# Altium PCB MecaVac.PcbDoc (part 2 of 2)
Units mil, origin at the board's own origin, x right, y up, seen from the top; angles counter-clockwise.
Board outline 4725 x 3149.61 mil, 2 copper layers (Top Layer, Bottom Layer); 93 components, 53 nets, 288 pads, 60 vias.
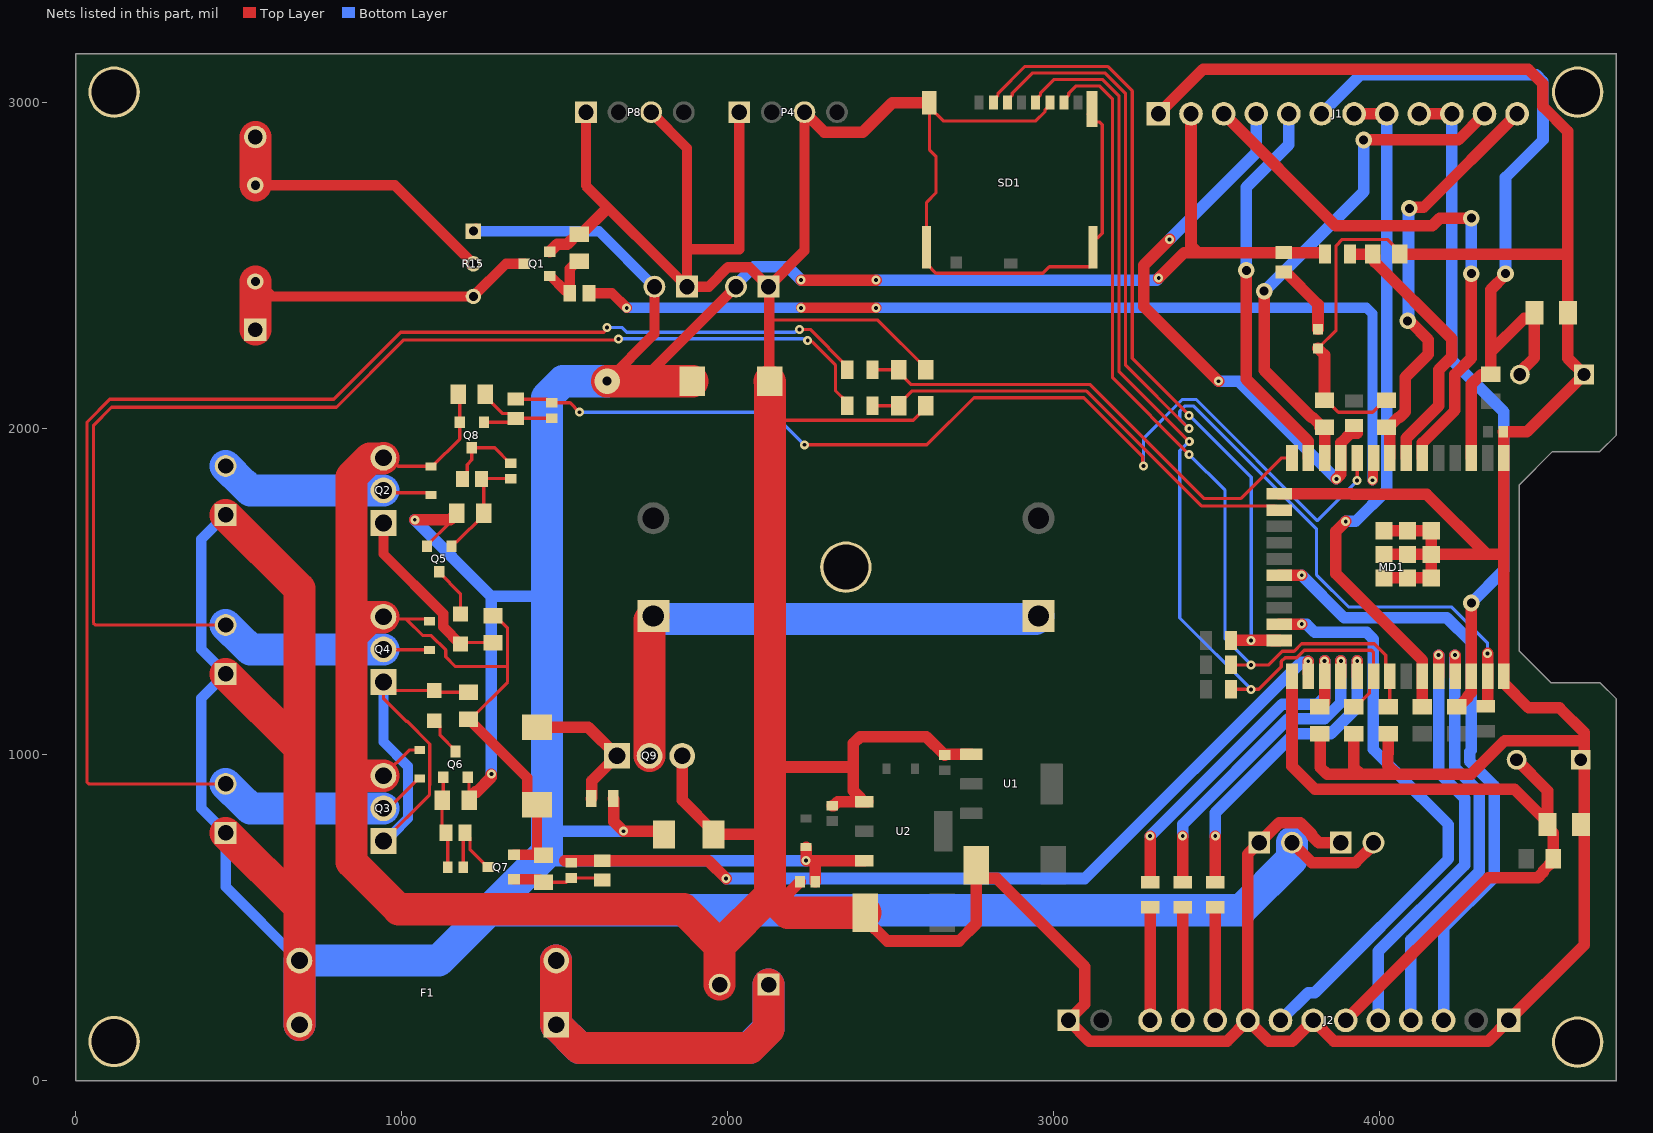
[diagram p2: the nets of this part, all layers, seen from the top]

## Via types
v1: diameter 27.56, hole 11.81, Top Layer to Bottom Layer, 45 vias
v2: diameter 51.18, hole 27.56, Top Layer to Bottom Layer, 11 vias
v3: diameter 78.74, hole 27.56, Top Layer to Bottom Layer, 2 vias
v4: diameter 50, hole 28, Top Layer to Bottom Layer, 2 vias

## Nets (pads, with @x,y where several pads share a name; then routed paths per layer and width w, separated by ;. In a path a pad name is that pad's centre, name@x,y a point inside that pad or via, vN(x,y) a via of type N, cw(c..) or ccw(c..) an arc to the next point about the centre after c; other vN are vias at no path point) (continued)
+12V: C2.2 C3.1 D2.1 D3.1 F1.2 J1.2 P1.1 P2.1 P3.1 P6.2 P7.2 P9.2 P10.2 Q5.2 Q6.2 R2.1 R15.1 R23.1 R24.1 R39.2 R40.1 U2.3 | length 16493.1
  Top Layer w10: Q5.2@1077.6,1639.37 1077.6,1641.34 1149.88,1713.62 R23.1@1149.88,1721.25 ; Q6.2@1202.4,930.63 1206.37,926.66 R24.1@1206.37,865.94
  Top Layer w31.5: R15.1@1219.8,2605 R15.1@1227.68,2612.87 ; v3(1630,2145) 1775,2290 P10.2@1775,2435 P10.2@1769.43,2440.57 ; 1735,2145 P9.2@2025,2435
  Top Layer w35.43: v1(1040,1720) 1148.63,1720 1149.88,1721.25 1156.65,1728.03 1162.59,1728.03 1168.63,1734.06 R23.1@1168.63,1740 ; R24.1@1206.37,860 1206.37,865.94 1225.63,885.2 1229.63,885.2 1275,930.57 v1(1275,940) ; R39.2@1648.5,865 1650.34,863.16 1650.34,794.66 v1(1680,765) 1793.75,765 D3.1@1803.75,755 ; v1(2225,2455) v1(2455,2455) ; D2.1@2240,716.1 v1(2240,675) 2240.55,674.45 2270,674.45 ; C3.1@2268.62,610 2268.62,673.07 2270,674.45 ; U2.3@2418.94,674.45 2270,674.45 ; v1(3321.5,2461.5) 3399.56,2539.56 3441.79,2539.56 ; J1.2@3420.59,2965 3420.59,2560.76 3441.79,2539.56 ; P7.2@3730,730 3730.13,730 3791.31,668.82 3924.95,668.82 3980,723.87 P6.2@3980,730 ; R2.1@3831.61,2535 3831.61,2538.57 3830.63,2539.56 R40.1@3705,2539.56 3441.79,2539.56
  Top Layer w98.43: P1.1@460,760 686.3,533.7 ; P2.1@460,1247.5 686.3,1021.2 ; P3.1@460,1735 686.3,1508.7 686.3,1021.2 ; F1.2@686.3,171.57 F1.2@686.3,368.43 686.3,533.7 ; v3(1630,2145) 1735,2145 C2.2@1891.5,2145 ; 686.3,533.7 686.3,1021.2
  Bottom Layer w31.5: P3.1@460,1735 385.04,1660.04 385.04,1322.46 P2.1@460,1247.5 385.04,1172.54 385.04,834.96 P1.1@460,760 460,594.72 F1.2@686.3,368.43 ; R15.1@1219.8,2605 1605,2605 P10.2@1775,2435
  Bottom Layer w35.43: v1(1040,1720) 1275,1485 ; v1(1275,940) 1275,1485 ; 1445,700 1470,675 v1(2240,675) ; 1445,765 v1(1680,765) ; 1445,1485 1275,1485 ; P9.2@2025,2435 2025,2441.13 2080.05,2496.18 2183.82,2496.18 v1(2225,2455) ; v1(2455,2455) 3315,2455 v1(3321.5,2461.5)
  Bottom Layer w98.43: F1.2@686.3,171.57 F1.2@686.3,368.43 1113.43,368.43 1267.5,522.5 ; v3(1630,2145) 1495,2145 1445,2095 1445,1485 1445,765 1445,700 1267.5,522.5 ; P7.2@3730,730 3730,679.33 3573.17,522.5 1267.5,522.5
GND: BOOT1.1 C1.2 C2.1 C3.2 C4.2 C5.1 C6.1 C7.2 C10.1 C11.1 C16.1 D3.2 D4.2 D5.2 D6.2 D7.1 J1.1 J2.1 J2.7 J2.9 MD1.1 MD1.15 MD1.38 MD1.39 P4.1 P4.3 P5.2 P6.1 P7.1 P8.1 P8.3 P9.1 P10.1 P11.1 pad.1 Q1.2 Q2.3 Q3.3 Q4.3 Q7.2 Q8.2 Q9.3 R1.2 R14.1 R17.1 R18.1 R19.1 R20.1 R22.2 R29.2 R31.1 R32.1 R34.2 R36.2 R38.2 RESET1.1 SD1.6 SD1.11 SD1.12 SD1.13 SD1.14 U1.1 U2.1 | length 27666.6
  Top Layer w10: Q3.3@944.02,935 1022.91,1013.9 D5.2@1055,1013.9 ; Q4.3@944.02,1422.5 950.82,1415.7 1014.51,1415.7 ; Q2.3@944.02,1910 962.62,1910 988.72,1883.9 D4.2@1090,1883.9 1093.94,1883.9 1177.6,1967.56 Q8.2@1177.6,2019.37 1177.6,2101.03 R31.1@1173.63,2105 ; D6.2@1085,1408.9 1078.2,1415.7 1014.51,1415.7 ; R34.2@1210.94,1108.63 1324.69,1222.38 1324.69,1270 ; R29.2@1280,1426.37 1285.94,1426.37 1324.69,1387.62 1324.69,1270 ; 2126.75,2330 2129.31,2332.56 2459.75,2332.56 2606.37,2185.94 R36.2@2606.37,2180 ; 2130,2025 2568.68,2025 2607.74,2064.06 R38.2@2607.74,2070 ; SD1.14@2618.25,2999.41 SD1.14@2618.25,2985.83 ; SD1.6@2987.54,3000 2987.54,2992.13 2973.01,2977.6 2973.01,2972.13 2944.22,2943.35 2660.73,2943.35 SD1.14@2618.25,2985.83 ; SD1.11@3104.74,2963.35 SD1.11@3116.67,2975.28 ; SD1.11@3116.67,2980.32 SD1.11@3116.67,2975.28 ; SD1.12@3119.82,2555.91 3119.82,2504.72 3111.04,2495.94 2986.3,2495.94 2966.3,2475.94 2638.37,2475.94 2609.59,2504.72 SD1.13@2609.59,2555.91 2609.59,2693.35 2638.37,2722.13 2638.37,2835.2 2618.25,2855.32 SD1.14@2618.25,2985.83 ; 3135,2585 3148.6,2598.6 3148.6,2931.41 3139.82,2940.2 3128.6,2940.2 3116.67,2952.13 SD1.11@3116.67,2975.28 ; D7.1@3810,2245.47 3865.31,2300.79 3865.31,2560.39 3884.62,2579.69 4022.62,2579.69 4061.37,2540.94 R1.2@4061.37,2535 ; R18.1@3830,2086.37 3835.94,2086.37 3872.56,2049.75 3977.44,2049.75 4014.06,2086.37 R17.1@4020,2086.37 ; 1014.51,1415.7 1065.21,1365 1091.06,1365 1135,1321.06 1135,1300 1165,1270 1324.69,1270
  Top Layer w31.5: R34.2@1205,1108.63 1210.94,1108.63 1218.94,1100.63 1218.94,1094.69 1384.88,928.75 1384.88,869.92 1408.31,846.5 C16.1@1415,846.5 1415,705.43 R32.1@1428.03,692.4 ; Q7.2@1344.37,692.4 R32.1@1428.03,692.4 ; R32.1@1435,691.37 1433.97,692.4 R32.1@1428.03,692.4 ; P8.1@1565,2970 1565,2745 P10.1@1875,2435 ; P8.3@1765,2970 1875,2860 1875,2550 ; P4.1@2035,2970 2035,2550 1875,2550 ; C2.1@2128.5,2145 2128.5,2151.69 2126.75,2153.44 2126.75,2330 2126.75,2433.25 P9.1@2125,2435 ; P4.3@2235,2970 2235,2545 P9.1@2125,2435 ; P10.1@1875,2435 1941.26,2435 2000.47,2494.21 2065.79,2494.21 P9.1@2125,2435 ; P10.1@1875,2435 1875,2550
  Top Layer w35.43: Q1.2@1454.37,2542.4 1477.06,2565.09 1507.78,2565.09 1539.06,2596.37 R22.2@1545,2596.37 1550.94,2596.37 1630,2675.43 ; Q9.3@1860,995.98 1860,860.5 1956.25,764.25 D3.2@1956.25,755 2125,755 2130,760 ; 2130,570 2181.38,570 C3.2@2221.38,610 ; 2130,965 2133.13,961.87 2385,961.87 ; P4.3@2235,2970 2235.13,2970 2296.31,2908.82 2413.82,2908.82 2504.41,2999.41 SD1.14@2618.25,2999.41 ; C4.2@2320,843.62 2325.31,843.62 2337.24,855.55 U2.1@2429.76,855.55 ; U2.1@2408.11,855.55 2408.11,866.38 2385,889.49 2385,961.87 ; C5.1@2421.89,515 2421.89,495.32 2488.98,428.23 2708.96,428.23 2761.89,481.16 C6.1@2761.89,641.85 ; U1.1@2746.97,1000.55 2666.93,1000.55 C7.2@2665,998.62 2608.62,1055 2405.76,1055 2385,1034.24 2385,961.87 ; C6.1@2761.89,660 C6.1@2761.89,641.85 ; J1.1@3320.59,2965 3457.79,3102.2 4454.24,3102.2 4499.84,3056.6 4499.84,2987.4 4576.18,2911.06 4576.18,2535 ; MD1.15@3690.94,1799.8 3912.67,1799.8 3914.64,1797.83 4143.9,1797.83 4327.56,1614.17 ; D7.1@3810,2245.47 3830,2225.47 R18.1@3830,2086.37 ; R14.1@3815,1063.63 3817.13,1061.5 3817.13,960.32 3837.88,939.57 3940.76,939.57 ; P6.1@3880,730 3811.94,730 3791.18,750.76 3791.18,755.34 3755.34,791.18 3691.18,791.18 P7.1@3630,730 3595,695 J2.9@3595,185 ; R19.1@3920,1063.63 3920,960.32 3940.76,939.57 ; MD1.39@4012.8,1541.93 MD1.39@4085.04,1541.93 MD1.39@4157.28,1541.93 MD1.39@4157.28,1614.17 ; MD1.39@4012.8,1614.17 MD1.39@4085.04,1614.17 MD1.39@4157.28,1614.17 ; MD1.39@4012.8,1686.42 MD1.39@4085.04,1686.42 MD1.39@4157.28,1686.42 MD1.39@4157.28,1614.17 ; R20.1@4025,1063.63 4025,1004.25 4024.57,1003.82 4024.57,966.18 4051.18,939.57 ; R1.2@4061.37,2535 4576.18,2535 ; C6.1@2761.89,641.85 2783.54,620.19 2824.81,620.19 3095,350 3095,235 P11.1@3045,185 3108.94,121.06 3531.06,121.06 J2.9@3595,185 ; J2.9@3595,185 3658.94,121.06 3731.06,121.06 J2.7@3795,185 3858.94,121.06 4331.06,121.06 J2.1@4395,185 4626.06,416.06 4626.06,1040 ; 3940.76,939.57 4051.18,939.57 ; 4051.18,939.57 4279.39,939.57 4382.12,1042.3 4623.76,1042.3 4626.06,1040 ; MD1.39@4157.28,1614.17 4327.56,1614.17 ; 4327.56,1614.17 4379.49,1614.17 4380.31,1615 ; 4380.31,1615 MD1.1@4380.31,1909.45 4380.31,1988.31 C1.2@4378.62,1990 4450.7,1990 RESET1.1@4626.06,2165.35 4576.18,2215.23 C11.1@4576.18,2355 4576.18,2535 ; 4380.31,1615 MD1.38@4380.31,1240.16 4380.31,1218.5 4455.7,1143.12 4550.67,1143.12 4626.06,1067.73 4626.06,1040
  Top Layer w98.43: Q3.3@944.02,935 860.43,935 845.43,920 ; Q4.3@944.02,1422.5 942.6,1421.08 903.18,1421.08 845.43,1363.33 ; Q2.3@944.02,1910 942.6,1908.58 903.18,1908.58 845.43,1850.83 845.43,1363.33 ; P5.2@1975,294.61 1975,415 ; C2.1@2128.5,2145 2130,2143.5 2130,2025 2130,1965 2130,965 2130,760 2130,570 ; C5.1@2421.89,515 2185,515 2130,570 ; 845.43,920 845.43,1363.33 ; 845.43,920 845.43,671.1 990.87,525.66 1864.34,525.66 1975,415 ; 1975,415 2130,570
NetBOOT1_2: BOOT1.2 C10.2 J2.6 MD1.25 R11.1 | length 2328.1
  Top Layer w35.43: MD1.25@3730.31,1240.16 3730.31,964.69 3800.87,894.13 4412.56,894.13 C10.2@4513.82,792.87 ; J2.6@3895,185 4332.59,622.59 4483.86,622.59 4500.28,639.02 4500.28,642.97 4531.37,674.06 R11.1@4531.37,680 4531.37,759.57 4513.82,777.13 C10.2@4513.82,785 C10.2@4513.82,792.87 ; BOOT1.2@4419.06,984.25 4513.82,889.49 C10.2@4513.82,792.87
NetC8_1: C8.1 C9.1 Q9.2 | length 1622.2
  Top Layer w98.43: Q9.2@1760,995.98 1760,1413.15 C8.1@1771.65,1424.8
  Bottom Layer w98.43: C8.1@1771.65,1424.8 1780.67,1415.79 2943.74,1415.79 C9.1@2952.76,1424.8
NetC11_2: C11.2 J1.6 MD1.3 R16.1 RESET1.2 | length 2358.1
  Top Layer w35.43: MD1.3@4280.31,1909.45 4280.31,2135.31 4310,2165 ; R16.1@4340,2166.37 4340,2235 ; v2(4385,2475) 4385,2470.74 4340,2425.74 4340,2235 ; RESET1.2@4429.06,2165.35 4429.06,2172.18 4473.82,2216.94 C11.2@4473.82,2347.13 ; C11.2@4473.82,2355 C11.2@4473.82,2347.13 ; 4340,2235 4442.28,2337.28 4463.98,2337.28 C11.2@4473.82,2347.13
  Bottom Layer w35.43: J1.6@3820.59,2965 3940.59,3085 4479.09,3085 4499.84,3064.24 4499.84,2985 4500,2984.84 4500,2885 4385,2770 v2(4385,2475)
NetC12_1: C12.1 MD1.10 R27.1 | length 3208.8
  Top Layer w10: R27.1@1350,2090 1445.67,2090 1457.05,2078.62 C12.1@1460,2078.62 1516.38,2078.62 v1(1545,2050) ; v1(2235,1950) 2610.31,1950 2755,2094.69 3092.03,2094.69 3272.94,1913.78 3272.94,1887.06 v1(3275,1885) ; v1(3930,1840) 3930,1909.13 MD1.10@3930.31,1909.45
  Bottom Layer w10: v1(1545,2050) 2135,2050 v1(2235,1950) ; v1(3275,1885) 3275,1969.69 3394.44,2089.13 3435.87,2089.13 3807.5,1717.5 v1(3930,1840)
NetC12_2: C12.2 Q8.1 R27.2 R31.2 | length 340.4
  Top Layer w10: Q8.1@1252.4,2019.37 1338.49,2019.37 R27.2@1350,2030.88 ; R31.2@1256.37,2105 1256.37,2099.06 1309.77,2045.66 1335.22,2045.66 R27.2@1350,2030.88 ; C12.2@1460,2031.38 1350.49,2031.38 R27.2@1350,2030.88
NetC13_1: C13.1 Q5.1 R23.2 R25.1 | length 343.5
  Top Layer w10: Q5.1@1152.4,1639.37 1152.4,1641.34 1163.15,1652.09 1169.4,1652.09 1251.37,1734.06 R23.2@1251.37,1740 1251.37,1838.63 R25.1@1245,1845 1246.38,1846.38 C13.1@1335,1846.38
NetC13_2: C13.2 Q8.3 R25.2 | length 247.2
  Top Layer w10: R25.2@1185.88,1845 1200.66,1859.78 1200.66,1889.21 1215,1903.55 Q8.3@1215,1940.63 1285.04,1940.63 1332.05,1893.62 C13.2@1335,1893.62
NetC14_1: C14.1 MD1.26 R28.1 | length 2624.6
  Top Layer w10: MD1.26@3780,1250 3780,1240.47 MD1.26@3780.31,1240.16
  Top Layer w35.43: 1500,675 1500.44,674.56 R28.1@1615,674.56 1940.44,674.56 v1(1995,620) ; MD1.26@3780,1250 v1(3780,1286.01)
  Bottom Layer w35.43: v1(1995,620) 3095,620 3758.43,1283.43 3777.43,1283.43 v1(3780,1286.01)
NetC14_2: C14.2 Q7.1 R28.2 R32.2 | length 282.1
  Top Layer w10: R32.2@1435,608.63 1504.3,608.63 1517.05,621.38 C14.2@1520,621.38 1609.06,621.38 R28.2@1615,615.44
  Top Layer w31.5: Q7.1@1344.37,617.6 1420.09,617.6 1429.06,608.63 R32.2@1435,608.63
NetC15_1: C15.1 Q6.1 R24.2 R26.1 | length 284.6
  Top Layer w10: Q6.1@1127.6,930.63 1127.6,863.97 R24.2@1123.63,860 1123.63,771.81 R26.1@1135.44,760 1141.38,754.06 C15.1@1141.38,655
NetC15_2: C15.2 Q7.3 R26.2 | length 243.1
  Top Layer w10: C15.2@1188.62,655 1188.62,754.06 R26.2@1194.56,760 1209.33,745.22 1209.33,709.33 1263.66,655 Q7.3@1265.63,655
NetC16_2: C16.2 Q9.1 R39.1 | length 444.8
  Top Layer w35.43: C16.2@1415,1083.5 1572.48,1083.5 Q9.1@1660,995.98 1583.34,919.33 1583.34,866.84 R39.1@1581.5,865
NetD4_1: D4.1 P3.2 Q2.2 | length 666.8
  Top Layer w10: Q2.2@944.02,1810 950.96,1803.05 1083.05,1803.05 D4.1@1090,1796.1
  Bottom Layer w98.43: P3.2@460,1885 517.32,1827.68 517.99,1827.68 535.67,1810 Q2.2@944.02,1810
NetD5_1: D5.1 P1.2 Q3.2 R35.1 | length 4717.4
  Top Layer w10: P1.2@460,910 40.54,910 34.69,915.86 34.69,1850.12 35,1850.44 35,2020 105,2090 791.64,2090 996.64,2295 1620,2295 1620,2295.25 1630,2305.25 v1(1630,2310) ; Q3.2@944.02,835 959.96,835 1051.06,926.1 D5.1@1055,926.1 ; v1(2220,2303.78) 2252.68,2303.78 2366.61,2189.84 R35.1@2366.61,2180
  Bottom Layer w10: v1(1630,2310) 1675,2310 1690,2295 2205.36,2295 2207,2296.64 2208.11,2296.64 2215.25,2303.78 v1(2220,2303.78)
  Bottom Layer w98.43: P1.2@460,910 517.32,852.68 517.99,852.68 535.67,835 Q3.2@944.02,835
NetD6_1: D6.1 P2.2 Q4.2 R37.1 | length 4229.2
  Top Layer w10: P2.2@460,1397.5 60.54,1397.5 54.69,1403.36 54.69,1841.84 55,1842.15 55,2010 110,2065 800,2065 1006.64,2271.64 1661.64,2271.64 v1(1665,2275) ; Q4.2@944.02,1322.5 944.71,1321.8 1084.3,1321.8 D6.1@1085,1321.1 ; v1(2245,2270) 2248.36,2266.64 2258.36,2266.64 2330,2195 2330,2116.46 2366.61,2079.84 R37.1@2366.61,2070
  Bottom Layer w10: v1(1665,2275) 2230.36,2275 2232,2273.36 2241.64,2273.36 v1(2245,2270)
  Bottom Layer w98.43: P2.2@460,1397.5 517.32,1340.18 517.99,1340.18 535.67,1322.5 Q4.2@944.02,1322.5
NetD7_2: D7.2 R40.2 | length 222.4
  Top Layer w35.43: R40.2@3705,2480.44 3710.07,2480.44 3810,2380.51 D7.2@3810,2304.53
NetF1_1: F1.1 P5.1 | length 2075.9
  Top Layer w98.43: F1.1@1473.7,368.43 F1.1@1473.7,171.57 1545.28,100 2067.34,100 2125,157.66 P5.1@2125,294.61
  Bottom Layer w98.43: F1.1@1473.7,368.43 F1.1@1473.7,171.57 1545.28,100 2065,100 2125,160 P5.1@2125,294.61
NetJ1_3: J1.3 MD1.6 | length 1708.8
  Top Layer w35.43: J1.3@3520.59,2965 3863.9,2621.69 4160.18,2621.69 4183.48,2645 v2(4280,2645) ; MD1.6@4130.31,1909.45 4130.31,1955.73 4230,2055.42 4230,2165.75 4280,2215.75 v2(4280,2475)
  Bottom Layer w35.43: v2(4280,2475) v2(4280,2645)
NetJ1_4: J1.4 MD1.11 R3.2 | length 1721.1
  Top Layer w35.43: v1(3355,2580) 3276.06,2501.06 3276.06,2373.94 v1(3505,2145) ; v1(3866.3,1845.24) 3880.31,1859.25 MD1.11@3880.31,1909.45 3880.31,1955.73 3909.58,1985 3930,1985
  Bottom Layer w35.43: v1(3355,2580) 3620.59,2845.59 J1.4@3620.59,2965 ; v1(3505,2145) 3566.54,2145 v1(3866.3,1845.24)
NetJ1_5: J1.5 MD1.13 | length 1188.5
  Top Layer w35.43: v2(3590,2485) 3590,2150.99 3780.31,1960.68 MD1.13@3780.31,1909.45
  Bottom Layer w35.43: v2(3590,2485) 3590,2740 3720,2870 3720,2964.41 J1.5@3720.59,2965
NetJ1_7: J1.7 J1.8 MD1.33 R4.2 | length 2110.2
  Top Layer w35.43: v1(3895,1715) 3865,1685 3865,1555 4130.31,1289.69 MD1.33@4130.31,1240.16 ; J1.7@3920.59,2965 J1.8@4020.59,2965 ; R4.2@4130,1146.37 MD1.33@4130,1239.84
  Bottom Layer w35.43: v1(3895,1715) 3925,1715 4020.59,1810.59 J1.8@4020.59,2965
NetJ1_9: J1.9 J1.10 MD1.36 R5.2 | length 2048.5
  Top Layer w35.43: J1.9@4120.59,2965 J1.10@4220.59,2965 ; R5.2@4235,1146.37 4240.94,1146.37 4268.74,1174.17 4268.74,1178.57 4280.31,1190.14 MD1.36@4280.31,1240.16 4280.31,1464.69 v2(4280,1465)
  Bottom Layer w35.43: J1.10@4220.59,2965 4220.59,2210.34 4380,2050.93 4380,1565 v2(4280,1465)
NetJ1_11: J1.11 MD1.12 R18.2 | length 1594
  Top Layer w35.43: v2(3645,2421.34) 3645,2178.74 3789.02,2034.72 3792.97,2034.72 3824.06,2003.63 R18.2@3830,2003.63 ; R18.2@3815.94,2003.63 3830.31,1989.25 MD1.12@3830.31,1909.45 ; v2(3950,2885) 4240.59,2885 J1.11@4320.59,2965
  Bottom Layer w35.43: v2(3645,2421.34) 3950,2726.34 v2(3950,2885)
NetJ1_12: J1.12 MD1.8 R17.2 | length 1306.8
  Top Layer w35.43: R17.2@4020,2003.63 4025.94,2003.63 4057.03,2034.72 4060.98,2034.72 4077.41,2051.14 4077.41,2157.02 4148.31,2227.92 4148.31,2272.08 4093.4,2326.99 4088.01,2326.99 v2(4085,2330) ; R17.2@4030,2003.63 4030,1931.42 4030.31,1931.1 MD1.8@4030.31,1909.45 ; v2(4090,2675) 4093.01,2678.01 4133.6,2678.01 J1.12@4420.59,2965
  Bottom Layer w35.43: v2(4085,2330) 4087.5,2332.5 4087.5,2672.5 v2(4090,2675)
NetJ2_3: J2.3 MD1.20 | length 1931.4
  Top Layer w35.43: MD1.20@3690.94,1549.8 3759.8,1549.8 v1(3760,1550)
  Bottom Layer w35.43: v1(3760,1550) 3890,1420 4205,1420 4280,1345 4280,1012.74 4275.43,1008.17 4275.43,978.82 4350.43,903.82 4350.43,623.63 4195,468.2 J2.3@4195,185
NetJ2_4: J2.4 MD1.35 | length 1303
  Top Layer w35.43: v1(4230,1305) 4230.31,1304.69 MD1.35@4230.31,1240.16
  Bottom Layer w35.43: J2.4@4095,185 4095,432.45 4305,642.45 4305,884.25 4234.63,954.63 4234.63,955.37 4230,960 v1(4230,1305)
NetJ2_5: J2.5 MD1.34 | length 1327.5
  Top Layer w35.43: v1(4180,1305) 4180.31,1304.69 MD1.34@4180.31,1240.16
  Bottom Layer w35.43: J2.5@3995,185 3995,396.7 4259.57,661.27 4259.57,865.43 4180,945 v1(4180,1305)
NetJ2_8: J2.8 MD1.23 | length 1797.4
  Top Layer w35.43: MD1.23@3690.94,1399.8 3759.8,1399.8 v1(3760,1400)
  Bottom Layer w35.43: J2.8@3695,185 3780,270 3800,270 4210,680 4210,785.31 4047.87,947.44 4047.87,947.87 3980,1015.75 3980,1353.81 3959.24,1374.57 3800.43,1374.57 3775,1400 v1(3760,1400)
NetJ2_10: J2.10 R10.2 | length 346.6
  Top Layer w35.43: J2.10@3495,185 R10.2@3495,531.61
NetJ2_11: J2.11 R12.2 | length 346.6
  Top Layer w35.43: J2.11@3395,185 R12.2@3395,531.61
NetJ2_12: J2.12 R13.2 | length 346.6
  Top Layer w35.43: J2.12@3295,185 R13.2@3295,531.61
NetLS1_1: LS1.1 Q1.3 R15.3 | length 1032.5
  Top Layer w31.5: v4(551.18,2450.79) 556.19,2450.79 601.98,2405 R15.3@1219.8,2405 1319.8,2505 Q1.3@1375.63,2505
  Top Layer w98.43: LS1.1@551.18,2303.15 v4(551.18,2450.79)
NetLS1_2: LS1.2 R15.2 | length 916.1
  Top Layer w31.5: v4(551.18,2746.06) 978.74,2746.06 R15.2@1219.8,2505
  Top Layer w98.43: v4(551.18,2746.06) LS1.2@551.18,2893.7
NetMD1_7: MD1.7 R1.1 R2.2 | length 853.6
  Top Layer w35.43: R2.2@3908.39,2535 R1.1@3978.63,2535 3984.66,2528.97 3984.66,2510.34 4220,2275 4220,2220 4180,2180 4180,2069.67 4080.31,1969.98 MD1.7@4080.31,1909.45
NetMD1_9: MD1.9 R21.1 | length 3008.6
  Top Layer w31.5: R21.1@1574.56,2415 1645,2415 v1(1690,2370) ; v1(2225,2370) v1(2455,2370) ; v1(3977.13,1841.3) 3978.35,1842.52 3978.35,1907.48 MD1.9@3980.31,1909.45
  Bottom Layer w31.5: v1(1690,2370) v1(2225,2370) ; v1(2455,2370) 3958.68,2370 3977.13,2351.55 v1(3977.13,1841.3)
NetMD1_14: MD1.14 R35.2 R36.1 | length 1505.6
  Top Layer w10: R35.2@2443.39,2180 R36.1@2523.63,2180 2523.63,2174.06 2563,2134.69 3111.54,2134.69 3461.23,1785 3572.52,1785 3696.97,1909.45 MD1.14@3730.31,1909.45
NetMD1_16: MD1.16 R37.2 R38.1 | length 1420.7
  Top Layer w10: R37.2@2443.39,2070 R38.1@2525,2070 2525,2075.94 2563.75,2114.69 3100.31,2114.69 3452.48,1762.52 3678.23,1762.52 MD1.16@3690.94,1749.8
NetMD1_24: MD1.24 R6.2 SD1.2 | length 2494.8
  Top Layer w10: SD1.2@2814.31,3000 2814.31,3007.87 2828.84,3022.4 2828.84,3027.87 2911.4,3110.43 3164.67,3110.43 3240,3035.1 3240,2215 v1(3414.65,2040.35)
  Top Layer w35.43: R6.2@3543.39,1350 v1(3605,1350) 3669.09,1350 3669.29,1349.8 MD1.24@3690.94,1349.8
  Bottom Layer w10: v1(3414.65,2040.35) 3415.35,2040.35 3605,1850.7 v1(3605,1350)
NetMD1_27: MD1.27 R13.1 R14.2 | length 1115.4
  Top Layer w35.43: R13.1@3295,608.39 v1(3295,750) ; R14.2@3815,1146.37 3820.94,1146.37 3826.97,1152.41 3826.97,1158.35 3830.31,1161.69 MD1.27@3830.31,1240.16 v1(3830.31,1287.28)
  Bottom Layer w35.43: v1(3295,750) 3700,1155 3809.24,1155 3830.31,1176.07 v1(3830.31,1287.28)
NetMD1_28: MD1.28 R12.1 | length 992.2
  Top Layer w35.43: R12.1@3395,608.39 v1(3395,750) ; MD1.28@3880.31,1240.16 v1(3880.31,1287.28)
  Bottom Layer w35.43: v1(3395,750) 3395,785.75 3718.82,1109.57 3830,1109.57 3880.31,1159.88 v1(3880.31,1287.28)
NetMD1_29: MD1.29 R10.1 | length 971.5
  Top Layer w35.43: R10.1@3495,608.39 v1(3495,750) ; MD1.29@3930.31,1240.16 v1(3930.31,1287.28)
  Bottom Layer w35.43: v1(3495,750) 3495,821.5 3737.64,1064.13 3848.82,1064.13 3930.31,1145.63 v1(3930.31,1287.28)
NetMD1_30: MD1.30 R8.2 R19.2 SD1.5 | length 3020.9
  Top Layer w10: SD1.5@2944.23,3000 2944.23,3007.87 2958.76,3022.4 2958.76,3027.87 3001.33,3070.43 3148.1,3070.43 3200,3018.53 3200,2174.3 3413.95,1960.35 v1(3415.35,1960.35) ; R8.2@3543.39,1200 v1(3605,1200) 3628.73,1200 3697.6,1268.87 3697.6,1285.74 3708.94,1297.09 3744.81,1297.09 3767.73,1320 3974.14,1320 3980,1314.14 3980,1240.47 MD1.30@3980.31,1240.16 3967.6,1227.44 3967.6,1188.03 3925.94,1146.37 R19.2@3920,1146.37
  Bottom Layer w10: v1(3415.35,1960.35) 3414.65,1960.35 3386.22,1931.92 3386.22,1418.78 v1(3605,1200)
NetMD1_31: MD1.31 R9.2 R20.2 SD1.7 | length 2787.4
  Top Layer w10: SD1.7@3030.85,3000 3030.85,3007.87 3045.37,3022.4 3045.37,3027.87 3067.94,3050.43 3139.82,3050.43 3180,3010.25 3180,2155 v1(3415,1920) ; R9.2@3543.39,1275 v1(3605,1275) 3658.57,1275 3700.66,1317.09 3736.53,1317.09 3759.44,1340 3982.43,1340 4017.6,1304.83 4017.6,1252.87 MD1.31@4030.31,1240.16 4030.31,1151.69 R20.2@4025,1146.37
  Bottom Layer w10: v1(3415,1920) 3525,1810 3525,1355 v1(3605,1275)
NetMD1_37: MD1.37 R7.2 SD1.3 | length 3138.9
  Top Layer w10: SD1.3@2857.62,3000 2857.62,3007.87 2872.15,3022.4 2872.15,3027.87 2934.71,3090.43 3156.38,3090.43 3220,3026.82 3220,2194.3 3414.3,2000 v1(3415,2000)
  Top Layer w35.43: R7.2@4325,1148.39 4329.02,1148.39 4330,1149.37 4330,1240.16 v1(4330,1310)
  Bottom Layer w10: v1(3415,2000) 3414.3,2000 3385.87,2028.43 3385.87,2052.27 3402.73,2069.13 3427.59,2069.13 3805.63,1691.08 3805.63,1550.63 3903.55,1452.72 4218.55,1452.72 4330,1341.27 v1(4330,1310)
NetQ1_1: Q1.1 R21.2 R22.1 | length 177.8
  Top Layer w31.5: Q1.1@1454.37,2467.6 1456.34,2467.6 R21.2@1499.84,2424.1 ; R21.2@1515.44,2415 1515.44,2490.01 1539.06,2513.63 R22.1@1545,2513.63
NetQ2_1: Q2.1 R29.1 R30.2 | length 571
  Top Layer w10: R30.2@1180,1338.74 1184.89,1343.63 R29.1@1280,1343.63
  Top Layer w31.5: Q2.1@944.02,1710 944.02,1615.04 1127.09,1431.96 1127.09,1391.66 R30.2@1180,1338.74
NetQ3_1: Q3.1 Q4.1 R33.2 R34.1 | length 1433.9
  Top Layer w10: Q3.1@944.02,735 1084.88,875.86 1084.88,906.03 1086.34,907.49 1086.34,1032.51 1016.45,1102.4 1013.9,1102.4 944.02,1172.28 Q4.1@944.02,1222.5 970.26,1196.26 R33.2@1100,1196.26 1104.89,1191.37 R34.1@1205,1191.37
  Bottom Layer w31.5: Q3.1@944.02,735 967.64,758.62 973.65,758.62 1018.98,803.95 1018.98,963.93 944.02,1038.89 Q4.1@944.02,1222.5
NetQ5_3: Q5.3 R30.1 | length 156.3
  Top Layer w10: Q5.3@1115,1560.63 1115,1558.66 1180,1493.66 R30.1@1180,1431.26
NetQ6_3: Q6.3 R33.1 | length 121.3
  Top Layer w10: R33.1@1100,1103.74 1117.64,1086.1 1117.64,1058.7 1165,1011.34 Q6.3@1165,1009.37
pads on no net: MD1.4 MD1.5 MD1.17 MD1.18 MD1.19 MD1.21 MD1.22 MD1.32 SD1.1 SD1.8 SD1.9 SD1.10

## Polygon pours and split planes (outlines as drawn)
GND on Top Layer "GND_L01_P000" (hatched Horizontal grid 20 track 8, remove dead copper, pour order 0): 0,0 0,3149.61 4724.41,3149.61 4725,3149.02 4725,1980 4674.13,1929.13 4529.13,1929.13 4427.17,1827.17 4427.17,1317.83 4524.53,1220.47 4674.53,1220.47 4725,1170 4725,0.59 4724.41,0
GND on Bottom Layer "GND_L02_P001" (hatched Horizontal grid 20 track 8, remove dead copper, pour order 1): 0,0 0,3149.61 4724.41,3149.61 4725,3149.02 4725,1980 4674.13,1929.13 4529.13,1929.13 4427.17,1827.17 4427.17,1317.83 4524.53,1220.47 4674.53,1220.47 4725,1170 4725,0.59 4724.41,0

## Keep-outs
Keep-Out Layer:
  lines w31.5: 4725,1170 4674.53,1220.47 4524.53,1220.47 4427.17,1317.83 4427.17,1827.17 4529.13,1929.13 4674.13,1929.13 4725,1980
  lines w39.37: 4724.41,0 0,0 0,3149.61 4724.41,3149.61 ; 4725,0.59 4725,1170 ; 4725,1980 4725,3149.02

## Silkscreen, mask and mechanical layers (free items; w line width, h text height)
Top Overlay:
  text "+5V" at 4140.24,2723.47 h60 r90
  text "+5V" at 4241.09,2723.47 h60 r90
  text "+5V" at 4341.94,2723.47 h60 r90
  text "+5V" at 4442.79,2723.47 h60 r90
  text "GND" at 1586.4,2718.46 h60 r90
  text "GND" at 1786.57,2718.46 h60 r90
  text "GND" at 2056.4,2717.87 h60 r90
  text "GND" at 2256.57,2718.46 h60 r90
  text "+3.3V" at 1686.24,2692.87 h60 r90
  text "+3.3V" at 1886.4,2692.87 h60 r90
  text "+3.3V" at 2156.24,2692.87 h60 r90
  text "+3.3V" at 2356.4,2692.87 h60 r90
  text "LED R" at 3338.51,2661.64 h60 r90
  text "LED R" at 3438.64,2661.64 h60 r90
  text "LED R" at 3538.76,2661.64 h60 r90
  text "LED R" at 3638.89,2661.64 h60 r90
  text "LED R" at 3739.01,2661.64 h60 r90
  text "LED R" at 3839.14,2661.64 h60 r90
  text "LED R" at 3939.27,2661.64 h60 r90
  text "LED R" at 4039.39,2661.64 h60 r90
  text "GND" at 1822.87,2573.6 h60
  text "GND" at 2117.87,2573.6 h60
  text "+12V" at 1667.87,2572.87 h60
  text "+12V" at 1962.87,2572.87 h60
  text "LED R" at 4717.13,2092.87 h60 r90
  text "GND" at 266.4,1828 h60 r90
  text "+12V" at 267.13,1672.67 h60 r90
  text "GND" at 266.4,1340.5 h60 r90
  text "+12V" at 267.13,1185.17 h60 r90
  text "LED R" at 4707.13,887.87 h60 r90
  text "GND" at 3527.87,868.6 h60
  text "GND" at 3822.87,868.6 h60
  text "+12V" at 3667.87,867.87 h60
  text "+12V" at 3962.87,867.87 h60
  text "GND" at 266.4,853 h60 r90
  text "+12V" at 267.13,697.67 h60 r90
  text "GND" at 3061.4,327.87 h60 r90
  text "+5V" at 3161.53,327.87 h60 r90
  text "LED R" at 3312.13,327.87 h60 r90
  text "LED R" at 3412.25,327.87 h60 r90
  text "LED R" at 3512.38,327.87 h60 r90
  text "GND" at 3611.78,327.87 h60 r90
  text "LED R" at 3712.63,327.87 h60 r90
  text "GND" at 3812.04,327.87 h60 r90
  text "BOOT" at 3912.16,327.87 h60 r90
  text "LED R" at 4012.13,327.87 h60 r90
  text "+5V" at 4113.86,327.87 h60 r90
  text "+5V" at 4214.71,327.87 h60 r90
  text "+5V" at 4315.56,327.87 h60 r90
  text "GND" at 4416.4,327.87 h60 r90

## Dimensions
4724.41,0 to 4724.41,3149.61 on Mechanical 1
0,0 to 4724.41,0 on Mechanical 1